# Altium PCB CORE_BOARD.PcbDoc (part 1 of 2) (continued)
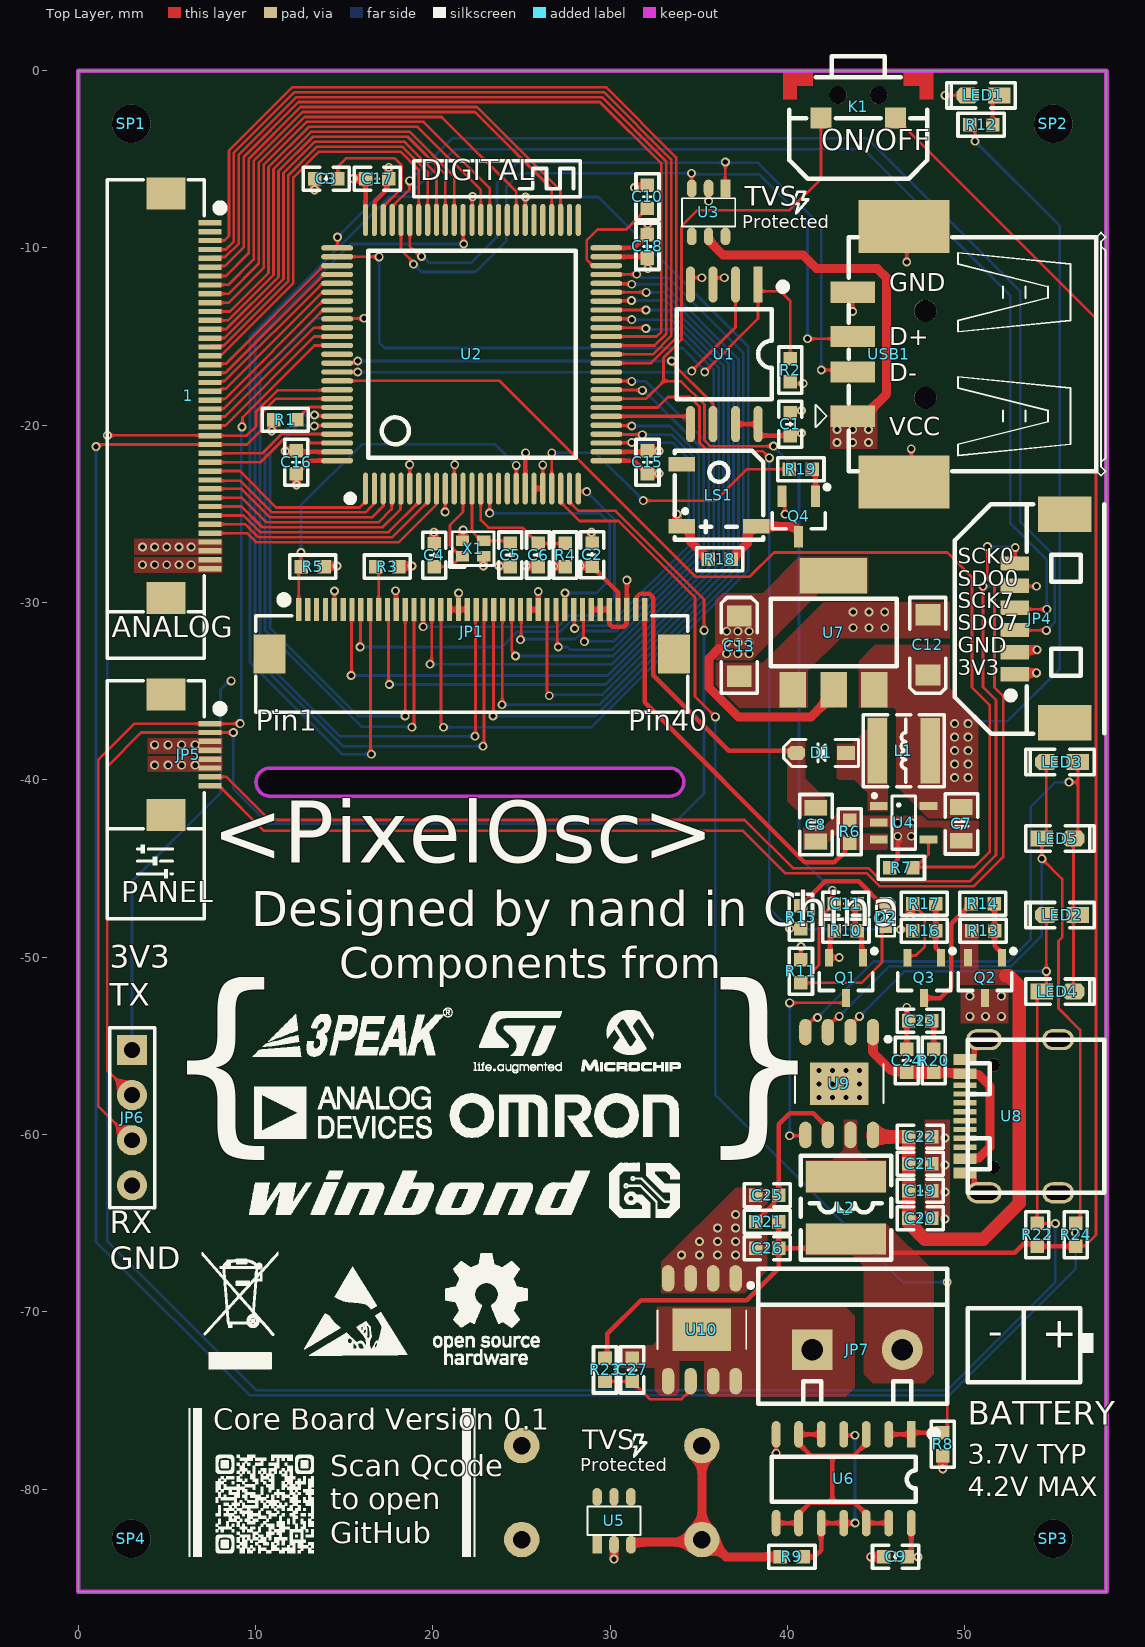
[diagram p0: Top Layer view]
## Footprints (in the part's own frame and the unit in brackets; to place one, negate y for a bottom-side part, rotate by r counter-clockwise, add the part's x,y. Pads: shape width x height; smd on the part's side, far side on the other; paste and mask are expansions set on the pad)
BUZZER-5*5*2mm [mm]
  rect 1.5x0.8 smd: 1(-2.1,-1.75) 2(2.1,-1.75) 3(-2.1,1.75)
  silkscreen extent -2.5,-2.5 2.5,2.5, body extent -2.6,-2.6 2.6,2.6, height 2
"C 0603_L" [mil] "无极性贴片电容"
  rect 30x30 smd: 1(-25.59,0) 2(25.59,0)
  silkscreen extent -51,-26 51,26, body extent -31,-16 31,16, height 32
"C 0805_L" [mil] "无极性贴片电容"
  rect 35x50 smd: 1(-37.41,0) 2(37.4,0)
  silkscreen extent -67,-36 67,36, body extent -39,-24 39,24, height 20
CD43 [mm] "4.5*4*3.2mm（长宽高）"
  rect 1.75x4.5 smd: 1(-1.75,0) 2(1.75,0)
  silkscreen extent -2.92,-2.54 2.92,2.54, body extent -2.21,-2 2.21,2, height 3.3
"CD A(3216)" [mm] "长3.2mm，宽1.6mm，厚1.6mm"
  rect 1.2x1.4 smd: 1(-1.7,0) 2(1.7,0)
  silkscreen extent -2.74,-1.02 2.67,1.02, body extent -1.6,-0.8 1.6,0.8, height 1.6
DJ610-4.8x0.5x14 [mm] "宽：4.8mm，厚0.5mm，高：14mm"
  round 2 hole 1: 1(-2.65,0) 1(2.65,0)
  silkscreen extent -5.08,-1.91 5.08,1.91, body extent -3.13,-0.25 3.13,0.25, height 8.55
"FPC0.5 2H-WS-8P" [mm] "长：8.2mm，宽：5.2mm，高：2mm"
  rect 1.8x2.2 smd: 0(-3.4,0) 0(3.4,0)
  rect 0.3x1.3 smd: 1(-1.75,2.497) 2(-1.25,2.497) 3(-0.75,2.497) 4(-0.25,2.497) 5(0.25,2.497) 6(0.75,2.497) 7(1.25,2.497) 8(1.75,2.497)
  silkscreen extent -4.17,-3.3 4.17,3.23, body extent -4.1,-3.15 4.1,2.85, height 2
"FPC0.5 2H-WS-40P" [mm] "长：24.2mm，宽：5.2mm，高：2mm"
  rect 1.8x2.2 smd: 0(-11.4,0) 0(11.4,0)
  rect 0.3x1.3 smd: 1(-9.75,2.497) 2(-9.25,2.497) 3(-8.75,2.497) 4(-8.25,2.497) 5(-7.75,2.497) 6(-7.25,2.497) 7(-6.75,2.497) 8(-6.25,2.497) 9(-5.75,2.497) 10(-5.25,2.497) 11(-4.75,2.497) 12(-4.25,2.497) 13(-3.75,2.497) 14(-3.25,2.497) 15(-2.75,2.497) 16(-2.25,2.497) 17(-1.75,2.497) 18(-1.25,2.497) 19(-0.75,2.497) 20(-0.25,2.497) 21(0.25,2.497) 22(0.75,2.497) 23(1.25,2.497) 24(1.75,2.497) 25(2.25,2.497) 26(2.75,2.497) 27(3.25,2.497) 28(3.75,2.497) 29(4.25,2.497) 30(4.75,2.497) 31(5.25,2.497) 32(5.75,2.497) 33(6.25,2.497) 34(6.75,2.497) 35(7.25,2.497) 36(7.75,2.497) 37(8.25,2.497) 38(8.75,2.497) 39(9.25,2.497) 40(9.75,2.497)
  silkscreen extent -12.17,-3.3 12.17,3.23, body extent -12.1,-3.15 12.1,2.85, height 2
HDR2.54-LI-4P [mm] "排针，4脚"
  rect 1.7x1.7 hole 0.9: 1(-3.81,0)
  round 1.7 hole 0.9: 2(-1.27,0) 3(1.27,0) 4(3.81,0)
  silkscreen extent -5.08,-1.27 5.08,1.27, body extent -5.08,-1.27 5.08,1.27, height 8.5
KF301-5.0-2P [mm] "可拼接端子/6A"
  rect 2.3x2.3 hole 1.2: 1(-5.08,0)
  round 2.3 hole 1.2: 2(0,0)
  silkscreen extent -8.13,-3.05 2.54,4.57, body extent -7.95,-3 2.55,4.6, height 10.05
"LED 0603G" [mil] "绿色0603LED"
  rect 50x35 smd: 1(-35,0.26)
  oct 50x35 smd: 2(35,0.26)
  silkscreen extent -71,-28 81,28, body extent -31,-16 32,16, height 18
"LED 0603W" [mil] "白色0603LED"
  rect 50x35 smd: 1(-35,0.26)
  oct 50x35 smd: 2(35,0.26)
  silkscreen extent -71,-28 81,28, body extent -31,-16 32,16, height 18
M2#1 [mm] "M3螺丝孔，孔125Mil，焊盘200Mil"
  round 2.175 hole 2.175: 1(-1.06,0.302)
M2#2 [mm] "M3螺丝孔，孔125Mil，焊盘200Mil"
  round 2.175 hole 2.175: 1(48.491,-1.857)
M2#3 [mm] "M3螺丝孔，孔125Mil，焊盘200Mil"
  round 2.175 hole 2.175: 1(0,-0.283)
M2#4 [mm] "M3螺丝孔，孔125Mil，焊盘200Mil"
  round 2.175 hole 2.175: 1(-46.779,-0.669)
"MX 1.25-WS-6P" [mm] "长：12.65mm，宽：4.2mm，高：3.4mm"
  rect 2x3 smd: 0(-5.882,0) 0(5.882,0)
  rect 0.8x1.6 smd: 1(-3.139,2.811) 2(-1.889,2.811) 3(-0.639,2.811) 4(0.611,2.811) 5(1.861,2.811) 6(3.111,2.811)
  silkscreen extent -6.48,-2.23 6.45,3.25, body extent -6.32,-2.1 6.32,3.09, height 3.4
NR4020 [mm] "4.0mm*4.0mm*2.0mm(长*宽*高）"
  rect 1.1x3.7 smd: 1(-1.5,0) 2(1.5,0)
  silkscreen extent -2.29,-2.03 2.29,2.03, body extent -2,-2 2,2, height 2.1
"OSC 2016-4P" [mm]
  rect 0.75x0.6 smd: 1(-0.597,-0.445) 2(0.597,-0.445) 3(0.597,0.445) 4(-0.597,0.445)
  silkscreen extent -1.31,-1.05 1.18,0.95, body extent -1,-0.8 1,0.8, height 0.4
"R 0603_L" [mil] "1/10W贴片电阻"
  rect 30x30 smd: 1(-25.59,0) 2(25.59,0)
  silkscreen extent -51,-26 51,26, body extent -31,-16 32,16, height 16
SOD-323 [mm] "1.8x1.3X0.9mm（长宽高，不包括引脚）"
  rect 1x0.8 smd: 1(-1.4,0)
  oct 1x0.8 smd: 2(1.4,0)
  silkscreen extent -2.11,-0.76 2.11,0.76, body extent -1.34,-0.63 1.31,0.67, height 1
SOD-523_L [mm]
  rect 0.5x0.7 smd: 1(-0.635,0)
  oct 0.5x0.7 smd: 2(0.635,0)
  silkscreen extent -1.08,-0.51 1.07,0.51, body extent -0.8,-0.4 0.8,0.4, height 0.65
SOP8W_L [mm] "5.3*8.3*1.8mm（长宽高）"
  rect 2.032x0.5 smd: 1(-3.937,1.905)
  oval 2.032x0.5 smd: 2(-3.937,0.635) 3(-3.937,-0.635) 4(-3.937,-1.905) 5(3.937,-1.905) 6(3.937,-0.635) 7(3.937,0.635) 8(3.937,1.905)
  silkscreen extent -3.96,-2.67 2.54,3.46, body extent -3.94,-2.64 3.94,2.64, height 1.9
SOP14_L [mm] "8.7*6.2*1.8mm（长宽高）"
  rect 1.5x0.5 smd: 1(-2.5,3.81)
  oval 1.5x0.5 smd: 2(-2.5,2.54) 3(-2.5,1.27) 4(-2.5,0) 5(-2.5,-1.27) 6(-2.5,-2.54) 7(-2.5,-3.81) 8(2.5,-3.81) 9(2.5,-2.54) 10(2.5,-1.27) 11(2.5,0) 12(2.5,1.27) 13(2.5,2.54) 14(2.5,3.81)
  silkscreen extent -2.69,-4.06 1.31,5.23, body extent -3,-4.35 3,4.35, height 1.9
SOP-8-G [mm] "SOIC, 8-Leads, Body 4.9x3.9mm, Pitc"
  rect 2.4x3.3 smd: 0(0,0)
  oval 1.5x0.7 smd: 1(-2.9,1.905) 2(-2.9,0.635) 3(-2.9,-0.635) 4(-2.9,-1.905) 5(2.9,-1.905) 6(2.9,-0.635) 7(2.9,0.635) 8(2.9,1.905)
  silkscreen extent -2.62,-2.5 1.1,2.88, body extent -2.45,-3 3.55,1.9, height 1.7
SOT23-3L [mm] "3x1.3x1mm(长宽高)"
  rect 0.45x1 smd: 1(-0.95,-1.143) 2(0.95,-1.143) 3(0,1.125)
  silkscreen extent -1.73,-1.65 1.5,0.7, body extent -1.5,-1.2 1.5,1.2, height 1.05
SOT23-3N [mm] "3x1.3x1mm(长宽高)"
  rect 0.5x1.2 smd: 1(-0.95,-1.143) 2(0.95,-1.143) 3(0,1.143)
  silkscreen extent -1.73,-1.78 1.5,0.7, body extent -1.5,-1.2 1.5,1.2, height 1.05
SOT23-5L [mm] "3x1.6x1.1mm(长宽高)"
  rect 0.45x1 smd: 1(-0.95,-1.4) 2(0,-1.4) 3(0.95,-1.4) 4(0.95,1.4) 5(-0.95,1.4)
  silkscreen extent -1.6,-1.73 1.5,0.66, body extent -1.5,-1.4 1.5,1.4, height 1.15
SOT-23-6M [mm]
  rect 0.55x1 smd: 1(-0.95,-1.35)
  oval 0.55x1 smd: 2(0,-1.35) 3(0.95,-1.35) 4(0.95,1.35) 6(-0.95,1.35)
  oval 0.5x1 smd: 5(0,1.35)
  silkscreen extent -1.5,-0.8 1.5,0.8, body extent -1.5,-1.4 1.5,1.4, height 0.86
SOT-223 [mil]
  rect 59x79 smd: 1(-88,-130) 2(2.55,-130) 3(93.1,-130)
  rect 150x79 smd: 2(1.88,123.54)
  silkscreen extent -137,-78 143,72, body extent -126,-139 130,135, height 67
TACT-SWITCH-3*6*3.5MM-SMD [mm]
  rect 1.2x1.2 smd: 1(2.1,0.65) 2(-2.1,0.65)
  round 1 hole 1 unplated: ""(-1.15,-0.65) ""(1.15,-0.65)
  Top Layer region: 4.226,-0.426 3.464,-0.426 3.464,-1.188 2.575,-1.188 2.575,-1.95 4.226,-1.95
  Top Layer region: -4.226,-0.426 -3.464,-0.426 -3.464,-1.188 -2.575,-1.188 -2.575,-1.95 -4.226,-1.95
  silkscreen extent -3.9,-2.85 3.9,0.65, body extent -3.9,-2.84 3.9,0.76, height 3.5
"TQFP100 14x14_N" [mm] "100脚，体宽：14x14mm, 脚距：0.5mm"
  oval 0.3x1.8 smd: 1(-5.995,-7.575) 2(-5.495,-7.575) 3(-4.995,-7.575) 4(-4.495,-7.575) 5(-3.995,-7.575) 6(-3.495,-7.575) 7(-2.995,-7.575) 8(-2.495,-7.575) 9(-1.995,-7.575) 10(-1.495,-7.575) 11(-0.995,-7.575) 12(-0.495,-7.575) 13(0.005,-7.575) 14(0.505,-7.575) 15(1.005,-7.575) 16(1.505,-7.575) 17(2.005,-7.575) 18(2.505,-7.575) 19(3.005,-7.575) 20(3.505,-7.575) 21(4.005,-7.575) 22(4.505,-7.575) 23(5.005,-7.575) 24(5.505,-7.575) 25(6.005,-7.575) 51(6.005,7.575) 52(5.505,7.575) 53(5.005,7.575) 54(4.505,7.575) 55(4.005,7.575) 56(3.505,7.575) 57(3.005,7.575) 58(2.505,7.575) 59(2.005,7.575) 60(1.505,7.575) 61(1.005,7.575) 62(0.505,7.575) 63(0.005,7.575) 64(-0.495,7.575) 65(-0.995,7.575) 66(-1.495,7.575) 67(-1.995,7.575) 68(-2.495,7.575) 69(-2.995,7.575) 70(-3.495,7.575) 71(-3.995,7.575) 72(-4.495,7.575) 73(-4.995,7.575) 74(-5.495,7.575) 75(-5.995,7.575)
  oval 1.8x0.3 smd: 26(7.58,-6) 27(7.58,-5.5) 28(7.58,-5) 29(7.58,-4.5) 30(7.58,-4) 31(7.58,-3.5) 32(7.58,-3) 33(7.58,-2.5) 34(7.58,-2) 35(7.58,-1.5) 36(7.58,-1) 37(7.58,-0.5) 38(7.58,0) 39(7.58,0.5) 40(7.58,1) 41(7.58,1.5) 42(7.58,2) 43(7.58,2.5) 44(7.58,3) 45(7.58,3.5) 46(7.58,4) 47(7.58,4.5) 48(7.58,5) 49(7.58,5.5) 50(7.58,6) 76(-7.595,6) 77(-7.595,5.5) 78(-7.595,5) 79(-7.595,4.5) 80(-7.595,4) 81(-7.595,3.5) 82(-7.595,3) 83(-7.595,2.5) 84(-7.595,2) 85(-7.595,1.5) 86(-7.595,1) 87(-7.595,0.5) 88(-7.595,0) 89(-7.595,-0.5) 90(-7.595,-1) 91(-7.595,-1.5) 92(-7.595,-2) 93(-7.595,-2.5) 94(-7.595,-3) 95(-7.595,-3.5) 96(-7.595,-4) 97(-7.595,-4.5) 98(-7.595,-5) 99(-7.595,-5.5) 100(-7.595,-6)
  silkscreen extent -6.98,-8.25 5.85,5.84, body extent -8,-8 8.01,8, height 1.05
USB-A/S_C [mm] "A型贴片母头，"
  rect 1.2x2.5 smd: 1(-3.5,4.1) 2(-1,4.1) 3(1,4.1) 4(3.5,4.1)
  rect 3x5.15 smd: 4(-7.2,1.2) 4(7.2,1.2)
  round 1.25 hole 1.25 unplated: 7(-2.45,0) 8(2.45,0)
  silkscreen extent -6.85,-10.17 6.86,6.19, body extent -7.75,-9.9 7.75,4.8, height 7.4
USB-C-16 [mm]
  rect 0.6x1.3 smd: 1(-3.2,2.623) 2(-2.4,2.623) 11(2.4,2.623) 12(3.2,2.623)
  rect 0.3x1.3 smd: 3(1.75,2.623) 4(1.25,2.624) 5(0.75,2.623) 6(0.25,2.623) 7(-0.25,2.623) 8(-0.75,2.623) 9(-1.25,2.623) 10(-1.75,2.624)
  oval 1.2x2 hole 0.8 slot 1.6 at 90 deg: 13(-4.32,1.556) 14(4.32,1.556)
  oval 1.2x1.8 hole 0.8 slot 1.4 at 90 deg: 15(-4.32,-2.624) 16(4.32,-2.624)
  round 0.75 hole 0.75 unplated: ""(-2.89,1.026) ""(2.89,1.026)
  silkscreen extent -4.32,-5.23 4.32,2.47, body extent -4.47,-5.27 4.47,2.63, height 3.26

## Part data
1: library part FPC-40P, "FPC连接器", BOM名称=FPC连接器, 学习资源=www.ooocke.com, 版权归属=源创客
C1 C2 C3 C4 C5 C6 C7 C8 C9 C10 C11 C15 C16 C17 C18 C19 C20 C21 C22 C23 C24 C25 C26 C27: library part C, "无极性贴片电容", BOM名称=无极性贴片电容, 学习资源=www.ooocke.com, 版权归属=源创客
C12 C13: library part C-CD, "贴片钽电容", BOM名称=贴片钽电容, 学习资源=www.ooocke.com, 版权归属=源创客
D1: library part 1N5819, "肖特基二极管", BOM名称=肖特基二极管, 学习资源=www.ooocke.com, 属性=40V/2A, 版权归属=源创客
D2: "高速开关二极管", BOM名称=高速开关二极管, 学习资源=www.ooocke.com, 版权归属=源创客
JP1: "LED显示屏"
JP4: library part "Header 6", "6P接插件", BOM名称=6P接插件, 学习资源=www.ooocke.com, 版权归属=源创客
JP5: library part FPC-8P, "FPC连接器", BOM名称=FPC连接器, 学习资源=www.ooocke.com, 版权归属=源创客
JP6: library part "Header 4", "4P接插件", BOM名称=4P接插件, 学习资源=www.ooocke.com, 版权归属=源创客
JP7: library part "Header 2", "2P接插件", BOM名称=2P接插件, 学习资源=www.ooocke.com, 版权归属=源创客
K1: library part KEY-SMD-6x6, "贴片6x6轻触开关", BOM名称=贴片6x6轻触开关, 学习资源=www.ooocke.com, 版权归属=源创客
L1: library part L, "小功率贴片电感", BOM名称=小功率贴片电感, 学习资源=www.ooocke.com, 版权归属=源创客
L2: library part L-CD, "贴片功率电感", BOM名称=功率电感, 学习资源=www.ooocke.com, 版权归属=源创客
LED1 LED2 LED3 LED4 LED5: library part LED-SMD, "贴片LED", BOM名称=贴片LED, 学习资源=www.ooocke.com, 版权归属=源创客
LS1: "蜂鸣器", BOM名称=蜂鸣器, 学习资源=www.ooocke.com, 版权归属=源创客
Q1 Q3: "场效应管"
Q2: "P沟道MOS管"
Q4: library part 8050-SMD, "高频放大-NPN型", BOM名称=高频放大-NPN型, 学习资源=www.ooocke.com, 属性="40V 1.5A 1W 100MHZ", 版权归属=源创客
R1 R2 R3 R4 R5 R6 R7 R8 R9 R10 R11 R12 R13 R14 R15 R16 R17 R18 R19 R20 R21 R22 R23 R24: library part R, "贴片电阻", BOM名称=贴片电阻, 学习资源=www.ooocke.com, 版权归属=源创客
U1: "外置Flash", BOM名称=外置Flash, 学习资源=www.ooocke.com, 版权归属=源创客
U2: library part STM32H750VBT6_T, "微型控制器"
U3 U5: "TVS二极管"
U4: "LED驱动"
U6: "四二输入与非门"
U7: library part AMS1117-3.0, "线性稳压器"
U8: library part USB-C-16P, "USB-C型母接口", BOM名称=USB-C型母接口, 学习资源=www.ooocke.com, 版权归属=源创客
U9: "电源芯片"
U10: "锂电池保护芯片"
USB1: library part USB-A/S, "USB-A型母接口", BOM名称=USB-A型母接口, 学习资源=www.ooocke.com, 版权归属=源创客
X1: library part XTAL-4P, "4脚无源晶振", BOM名称=4脚无源晶振, 学习资源=www.ooocke.com, 版权归属=源创客
JP2 JP3: BOM名称=10P接插件, 学习资源=www.ooocke.com, 版权归属=源创客
SP1 SP2 SP3 SP4: BOM名称=铜柱, 学习资源=www.ooocke.com, 版权归属=源创客

## Via types
v1: diameter 0.5, hole 0.3, Top Layer to Bottom Layer, tented both sides, 229 vias

## Nets (pads, with @x,y where several pads share a name; then routed paths per layer and width w, separated by ;. In a path a pad name is that pad's centre, name@x,y a point inside that pad or via, vN(x,y) a via of type N, cw(c..) or ccw(c..) an arc to the next point about the centre after c; other vN are vias at no path point)
3V3: C1.1 C2.1 C13.1 C15.2 C16.2 C17.2 C18.2 JP1.37 JP4.1 JP6.1 LS1.1 R2.2 R3.1 R4.2 R5.1 R18.1 U1.3 U1.7 U1.8 U2.6 U2.11 U2.20 U2.21 U2.27 U2.50 U2.75 U2.100 U7.2 | length 68.1
  Top Layer w0.152: v1(18.701,-22.225) 18.707,-22.231 18.707,-23.57 U2.6@18.714,-23.577 ; U2.11@21.214,-23.577 21.227,-23.563 21.227,-22.239 v1(21.241,-22.225) ; v1(26.209,-22.24) 26.211,-22.242 26.211,-23.574 U2.21@26.214,-23.577 ; R4.2@27.434,-27.956 R4.2@27.464,-27.986 ; U1.3@35.81,-12.065 35.81,-11.845 35.971,-11.684 v1(36.449,-11.684) ; R2.2@40.164,-17.541 40.276,-17.653 v1(40.894,-17.653)
  Top Layer w0.254: C16.2@12.258,-22.86 12.224,-22.826 C16.2@12.302,-22.748 13.048,-22.002 U2.100@14.614,-22.002 ; C17.2@16.203,-6.096 16.214,-6.107 U2.75@16.214,-8.427 ; U2.20@25.714,-23.577 U2.21@26.214,-23.577 ; C2.1@28.988,-27.955 30.451,-29.418 JP1.37@30.451,-30.4 ; U2.27@29.788,-21.502 C15.2@32.06,-21.502 ; U2.50@29.788,-10.002 31.383,-10.002 C18.2@32.114,-9.271 C18.2@32.163,-9.222 ; U1.7@37.08,-19.939 U1.8@38.35,-19.939 38.35,-20.475 38.464,-20.589 C1.1@40.164,-20.589 40.306,-20.447 v1(40.799,-20.447)
  Top Layer w0.508: C16.2@12.258,-22.86 12.304,-22.86 12.319,-22.875 v1(12.319,-23.368) ; R5.1@13.89,-27.971 13.921,-27.94 v1(14.605,-27.94) ; v1(15.526,-6.096) C17.2@16.203,-6.096 ; R3.1@18.081,-27.971 18.112,-27.94 v1(18.828,-27.94) ; v1(26.829,-27.956) R4.2@27.434,-27.956 ; v1(28.321,-27.94) 28.973,-27.94 C2.1@28.988,-27.955 ; C15.2@32.06,-21.502 32.099,-21.463 v1(32.766,-21.463) ; v1(32.131,-8.636) 32.131,-9.19 C18.2@32.163,-9.222 ; v1(33.782,-25.019) 33.782,-25.556 33.928,-25.702 LS1.1@34.039,-25.702 34.389,-25.702 34.535,-25.848 34.535,-26.549 R18.1@35.545,-27.559 ; 36.144,-32.588 35.585,-33.147 35.585,-34.798 37.236,-36.449 41.34,-36.449 42.61,-35.179 U7.2@42.61,-34.925 ; JP4.1@52.834,-34.051 52.919,-33.966 v1(54.057,-33.966)
  Bottom Layer w0.152: JP6.1@3.048,-55.245 3.048,-45.721 8.03,-40.739 8.03,-34.896 8.509,-34.417 v1(8.636,-34.417)
  other v1: 36.576,-32.893 37.211,-32.893 37.846,-32.893 36.576,-32.258 37.211,-32.258 37.846,-32.258 36.576,-31.623 37.211,-31.623 37.846,-31.623
5V: 1.37 1.38 C7.2 C9.2 C12.1 JP5.3 JP5.4 L1.1 Q2.3 R12.2 U3.5 U4.5 U6.14 U7.3 USB1.1 | length 61.8
  Top Layer w0.152: R12.2@50.277,-3.048 50.582,-3.353 v1(50.582,-3.986)
  Top Layer w0.254: U6.14@46.99,-81.915 46.99,-83.581 C9.2@46.751,-83.82 v1(47.371,-83.82)
  Top Layer w0.508: U3.5@35.564,-9.597 36.381,-10.414 40.894,-10.414 41.656,-11.176 45.085,-11.176 45.593,-11.684 45.593,-18.243 44.334,-19.502 USB1.1@43.684,-19.502
  Bottom Layer w0.152: v1(50.197,-36.83) 50.291,-36.83 50.418,-36.703 52.4,-36.703 55.368,-33.735 55.368,-8.772 v1(50.582,-3.986)
  other v1: 50.292,-53.34 51.181,-53.34 52.07,-53.34 50.292,-52.197 52.07,-52.197 49.435,-39.878 50.197,-39.878 49.435,-39.116 50.197,-39.116 49.435,-38.354 50.197,-38.354 4.318,-38.026 5.08,-38.026 5.842,-38.026 6.604,-38.026 49.435,-37.592 50.197,-37.592 49.435,-36.83 3.632,-26.873 4.318,-26.873 5.004,-26.873 5.69,-26.873 6.375,-26.873 42.799,-20.98 43.688,-20.98 44.577,-20.98 42.799,-20.244 43.688,-20.244 44.577,-20.244
ABout: U6.3 U6.5 U6.6 U6.8 U6.9 U6.12 U6.13 | length 17.2
  Top Layer w0.254: U6.8@39.37,-81.915 U6.9@40.64,-81.915 40.64,-81.415 41.283,-80.772 42.545,-80.772 ; U6.5@41.91,-76.915 U6.6@40.64,-76.915 40.64,-77.415 41.33,-78.105 42.545,-78.105 ; U6.3@44.45,-76.915 44.45,-77.415 43.76,-78.105 42.545,-78.105 ; U6.13@45.72,-81.915 U6.12@44.45,-81.915 44.45,-81.415 43.807,-80.772 42.545,-80.772 ; 42.545,-80.772 42.545,-78.105
B+: C26.1 JP7.2 K1.2 L2.2 R21.2 R22.2 R23.1 R24.2 | length 99.5
  Top Layer w0.152: K1.2@46.1,-2.682 57.404,-13.986 57.404,-65.659 56.781,-66.282 56.288,-66.282 R24.2@56.261,-66.309
  Top Layer w0.254: R23.1@29.718,-72.629 29.845,-72.502 29.845,-71.247 31.75,-69.342 37.719,-69.342 39.512,-67.549 C26.1@39.512,-66.421 ; R21.2@39.512,-64.929 C26.1@39.512,-66.421 ; L2.2@43.307,-65.885 42.771,-66.421 C26.1@39.512,-66.421 ; 45.974,-66.675 52.832,-66.675 53.34,-66.167 53.95,-66.167 R22.2@54.092,-66.309 R24.2@56.261,-66.309
  Top Layer w0.508: L2.2@42.849,-65.793 L2.2@43.307,-65.335
B-: C27.2 JP7.1 U10.0 U10.5 U10.7 U10.8
BEEP_CTR: R19.1 U2.22 | length 17.3
  Top Layer w0.152: U2.22@26.714,-23.577 v1@26.714,-21.546 ; v1(31.877,-24.257) 35.941,-24.257 37.719,-22.479 R19.1@40.117,-22.479
  Bottom Layer w0.152: v1(26.714,-21.559) 29.179,-21.559 v1(31.877,-24.257)
CH0_AT: U2.56
CH1_AT: U2.55
DGND: 1.39 1.40 C1.2 C2.2 C3.2 C4.2 C5.2 C6.1 C7.1 C8.2 C9.1 C10.1 C12.2 C13.2 C15.1 C16.1 C17.1 C18.1 C19.2 C20.2 C21.2 C22.2 C23.2 C24.2 C25.2 C26.2 JP1.5 JP1.12 JP1.18 JP1.19 JP1.20 JP1.27 JP1.28 JP1.34 JP1.35 JP1.36 JP1.38 JP3.1 JP4.2 JP5.5 JP5.6 JP6.4 LED1.2 Q1.2 Q3.2 Q4.2 R1.1 R6.1 R7.1 R8.2 R10.1 R11.2 R17.1 SP1.1 SP2.1 SP3.1 SP4.1 U1.4 U2.10 U2.19 U2.26 U2.49 U2.74 U2.99 U3.2 U4.2 U5.2 U6.7 U7.1 U8.1 U8.12 U8.13 U8.14 U8.15 U8.16 U9.0 U10.1 U10.2 U10.3 U10.4 USB1.4 X1.2 X1.4 | length 69
  Top Layer w0.152: R1.1@10.914,-19.805 R1.1@11.034,-19.685 ; JP1.5@14.451,-30.4 14.458,-30.392 14.458,-29.357 v1(14.466,-29.349) ; v1(20.701,-24.892) 20.707,-24.886 20.707,-23.583 U2.10@20.714,-23.577 ; X1.4@21.717,-26.541 X1.4@21.717,-26.474 ; X1.2@22.801,-27.426 X1.2@22.86,-27.485 ; C5.2@24.336,-27.94 C5.2@24.367,-27.971 ; C6.1@25.925,-27.956 C6.1@25.94,-27.971 ; C2.2@28.956,-26.623 C2.2@28.988,-26.655 ; C18.1@32.114,-10.571 C18.1@32.131,-10.588 ; U1.4@34.54,-12.065 34.54,-11.845 34.701,-11.684 v1(35.179,-11.684) ; v1(35.56,-7.366) U3.2@35.56,-6.651 ; v1(39.37,-77.978) U6.7@39.37,-76.915 ; Q4.2@39.69,-24.003 39.864,-24.177 39.864,-25.005 v1(39.878,-25.019) ; R11.2@40.767,-50.15 v1(40.767,-49.403) ; v1(41.783,-57.15) U9.0@42.524,-57.15 ; v1(41.783,-56.388) U9.0@42.524,-57.129 ; v1(42.545,-57.15) 42.566,-57.129 U9.0@42.926,-57.129 ; v1(42.545,-56.388) 42.545,-56.748 U9.0@42.926,-57.129 ; v1(43.307,-57.15) U9.0@43.286,-57.129 ; v1(43.307,-56.388) 42.926,-56.769 U9.0@42.926,-57.129 ; U9.0@43.445,-57.012 v1(44.069,-56.388) ; USB1.4@43.684,-12.502 43.684,-13.585 v1(43.688,-13.589) ; v1(44.069,-57.15) 44.048,-57.129 U9.0@43.286,-57.129 ; USB1.4@46.584,-23.202 46.99,-22.796 v1(46.99,-21.336) ; USB1.4@46.584,-8.802 46.736,-8.954 v1(46.736,-10.795) ; Q3.2@46.77,-50.038 46.897,-49.911 47.244,-49.911 47.752,-49.403 47.752,-47.672 R17.1@47.07,-46.99 ; v1(48.895,-1.397) 48.898,-1.4 50.162,-1.4 LED1.2@50.165,-1.404 ; U9.0@42.926,-57.129 U9.0@43.286,-57.129
  Top Layer w0.254: C16.1@12.356,-21.502 U2.99@14.614,-21.502 ; U2.74@16.714,-8.427 16.722,-8.419 16.722,-7.408 17.399,-6.731 C17.1@17.399,-6.221 ; v1(17.907,-29.337) 17.929,-29.359 17.929,-30.378 JP1.12@17.951,-30.4 ; JP1.18@20.951,-30.4 JP1.19@21.451,-30.4 ; v1(21.463,-29.464) 21.451,-29.476 JP1.19@21.451,-30.4 ; JP1.20@21.951,-30.4 JP1.19@21.451,-30.4 ; U2.19@25.214,-23.577 25.222,-23.568 25.222,-21.58 v1(25.243,-21.559) ; JP1.27@25.451,-30.4 JP1.28@25.951,-30.4 v1(25.951,-29.38) v1@25.908,-29.337 ; JP1.34@28.951,-30.4 JP1.35@29.451,-30.4 JP1.36@29.951,-30.4 29.974,-30.423 29.974,-31.22 30.123,-31.369 30.779,-31.369 30.928,-31.22 30.928,-30.423 30.951,-30.4 v1(30.951,-28.739) ; U2.26@29.788,-22.002 31.368,-22.002 C15.1@32.114,-22.748 ; U2.49@29.788,-10.502 32.045,-10.502 C18.1@32.114,-10.571 ; C1.2@40.052,-19.177 v1(40.799,-19.177) ; R10.1@42.657,-48.514 42.418,-48.753 42.418,-49.702 42.357,-49.763 42.357,-49.922 42.455,-50.02 v1(42.926,-50.02) ; R7.1@45.786,-44.958 46.228,-44.516 46.228,-43.561 46.355,-43.434 ; C24.2@46.736,-55.182 46.736,-53.706 C23.2@46.848,-53.594 46.736,-53.482 v1(46.736,-52.832) ; U8.1@50.023,-62.17 50.373,-62.17 50.546,-62.343 50.546,-62.853 50.983,-63.29 U8.13@51.09,-63.29 ; U8.12@50.023,-55.77 50.373,-55.77 50.546,-55.597 50.546,-55.087 50.983,-54.65 U8.14@51.09,-54.65
  Top Layer w0.508: R1.1@10.914,-19.805 10.922,-19.812 v1(10.922,-20.32) ; v1(11.684,-21.463) 12.317,-21.463 C16.1@12.356,-21.502 ; v1(13.335,-6.731) 13.335,-6.113 C3.2@13.352,-6.096 ; C17.1@17.399,-6.221 17.399,-6.098 17.526,-5.971 v1(17.526,-5.461) ; v1(20.066,-26.035) 20.066,-26.561 C4.2@20.176,-26.671 ; X1.4@21.679,-26.512 21.717,-26.474 v1(21.717,-25.908) ; v1(22.86,-27.94) 22.86,-27.485 22.86,-27.414 X1.2@22.873,-27.401 ; v1(23.749,-27.94) C5.2@24.336,-27.94 ; v1(25.273,-27.94) 25.909,-27.94 C6.1@25.925,-27.956 ; C2.2@28.956,-26.623 v1(28.956,-26.035) ; v1(30.226,-83.947) U5.2@30.226,-83.225 ; v1(31.383,-6.604) 31.398,-6.589 31.987,-6.589 C10.1@32.114,-6.462 ; C15.1@32.114,-22.748 32.129,-22.733 v1(32.766,-22.733) ; v1(32.131,-11.176) C18.1@32.131,-10.588 ; v1(44.704,-83.82) C9.1@45.451,-83.82 ; v1(46.923,-47.692) 46.943,-47.672 46.943,-47.117 R17.1@47.07,-46.99 ; v1(48.768,-78.867) R8.2@48.768,-78.12 ; JP4.2@52.834,-32.801 52.971,-32.664 v1(54.077,-32.664)
  other v1: 34.036,-66.802 35.052,-66.802 36.068,-66.802 37.084,-66.802 35.052,-66.04 36.068,-66.04 37.084,-66.04 36.068,-65.278 37.084,-65.278 48.895,-64.77 37.084,-64.516 48.895,-63.246 48.895,-61.722 48.895,-60.198 41.783,-57.912 42.545,-57.912 43.307,-57.912 44.069,-57.912 46.228,-43.18 46.99,-43.18 46.228,-42.418 46.99,-42.418 4.318,-39.169 5.08,-39.169 5.842,-39.169 6.604,-39.169 43.713,-31.42 44.602,-31.42 45.491,-31.42 43.713,-30.531 44.602,-30.531 45.491,-30.531 3.632,-27.873 4.318,-27.873 5.004,-27.873 5.69,-27.873 6.375,-27.873
H7_SWCLK: JP4.4 U2.76 | length 64.4
  Top Layer w0.152: U2.76@14.614,-10.002 14.634,-9.981 v1(14.634,-9.395) ; JP4.4@52.834,-30.301 52.912,-30.378 v1(54.635,-30.378)
  Bottom Layer w0.152: v1(14.634,-9.395) 17.196,-6.833 18.853,-6.833 21.241,-4.445 44.323,-4.445 52.578,-12.7 52.578,-25.545 54.635,-27.602 v1(54.635,-30.378)
H7_SWDIO: JP4.3 U2.72 | length 63.5
  Top Layer w0.152: U2.72@17.714,-8.427 17.714,-7.677 18.689,-6.702 18.689,-6.235 v1(18.701,-6.223) ; JP4.3@52.856,-31.572 v1(54.61,-31.572)
  Bottom Layer w0.152: v1(18.701,-6.223) 21.114,-3.81 44.482,-3.81 53.143,-12.471 53.143,-25.457 55.089,-27.403 55.089,-31.094 v1(54.61,-31.572)
I2C4_SCL: U2.59
I2C4_SDA: U2.60
KEY_PWR: C11.1 D2.1 K1.1 R11.1 U2.33 | length 73.6
  Top Layer w0.152: U2.33@29.788,-18.502 32.044,-18.502 33.02,-17.526 ; v1(39.218,-21.184) 35.648,-21.184 35.331,-20.867 35.331,-18.845 34.012,-17.526 33.02,-17.526 ; K1.1@41.895,-2.682 41.895,-6.111 40.132,-7.874 34.925,-7.874 34.036,-8.763 34.036,-15.179 33.02,-16.195 33.02,-17.526 ; v1(42.545,-46.228) 42.545,-46.893 C11.1@42.642,-46.99 41.783,-47.849 41.783,-50.434 41.072,-51.145 R11.1@40.767,-51.45 44.181,-51.45 45.339,-50.292 45.339,-48.561 45.513,-48.387 D2.1@45.542,-48.387
  Bottom Layer w0.152: v1(39.218,-21.184) 39.218,-21.194 40.659,-22.635 40.659,-44.342 v1(42.545,-46.228)
LCD_B3: JP1.17 U2.57 | length 57.5
  Top Layer w0.152: JP1.17@20.451,-30.4 20.465,-30.414 20.465,-36.802 20.606,-36.943 v1(20.606,-37.037) ; U2.57@25.214,-8.427 25.226,-8.415 25.226,-7.143 v1(25.237,-7.131)
  Bottom Layer w0.152: v1(20.606,-37.037) 28.927,-37.037 37.802,-28.162 37.802,-15.577 29.356,-7.131 v1(25.237,-7.131)
LCD_B4: JP1.16 U2.42 | length 40.1
  Top Layer w0.152: v1(19.844,-33.481) 19.844,-33.387 19.951,-33.28 JP1.16@19.951,-30.4 ; U2.42@29.788,-14.002 31.178,-14.002 v1(31.225,-14.049)
  Bottom Layer w0.152: v1(19.844,-33.481) 30.112,-33.481 36.125,-27.468 36.125,-16.747 33.427,-14.049 v1(31.225,-14.049)
LCD_B5: JP1.15 U2.25 | length 19.7
  Top Layer w0.152: JP1.15@19.451,-30.4 19.457,-30.406 19.457,-31.363 v1(19.463,-31.369) ; U2.25@28.214,-23.577 28.214,-23.681 28.282,-23.749 v1(28.685,-23.749)
  Bottom Layer w0.152: v1(19.463,-31.369) 27.069,-31.369 27.704,-30.734 29.242,-30.734 30.258,-29.718 30.258,-25.322 v1(28.685,-23.749)
LCD_B6: JP1.14 U2.95 | length 32.3
  Top Layer w0.152: v1(13.332,-19.422) 13.384,-19.474 14.585,-19.474 U2.95@14.614,-19.502 ; v1(18.828,-37.037) 18.828,-36.943 18.951,-36.82 JP1.14@18.951,-30.4
  Bottom Layer w0.152: v1(13.332,-19.422) 13.315,-19.439 12.565,-19.439 10.541,-21.463 10.541,-31.558 15.986,-37.003 18.794,-37.003 v1(18.828,-37.037)
LCD_B7: JP1.13 U2.96 | length 30
  Top Layer w0.152: v1(13.318,-20.049) 13.342,-20.025 14.59,-20.025 U2.96@14.614,-20.002 ; v1(18.447,-36.402) 18.449,-36.4 18.449,-30.402 JP1.13@18.451,-30.4
  Bottom Layer w0.152: v1(13.318,-20.049) 13.271,-20.002 12.397,-20.002 10.82,-21.579 10.82,-31.442 15.78,-36.402 v1(18.447,-36.402)
LCD_BL: R7.2 U2.91 U4.4 | length 64
  Top Layer w0.152: U2.91@14.614,-17.502 23.784,-17.502 34.827,-28.546 37.875,-28.546 39.243,-27.178 49.022,-27.178 50.419,-28.575 50.419,-34.798 51.41,-35.789 51.41,-44.069 50.558,-44.921 R7.2@47.25,-44.921 ; R7.2@47.086,-44.958 47.213,-44.958 47.963,-44.208 U4.4@47.963,-43.368
LCD_CLK: JP1.11 U2.44 | length 45.8
  Top Layer w0.152: JP1.11@17.451,-30.4 17.504,-30.454 17.504,-34.57 v1(17.558,-34.624) ; U2.44@29.788,-13.002 29.805,-12.985 31.197,-12.985 v1(31.214,-12.968)
  Bottom Layer w0.152: v1(17.558,-34.624) 29.759,-34.624 36.684,-27.699 36.684,-16.516 33.137,-12.968 v1(31.214,-12.968)
LCD_DE: JP1.7 U2.43 | length 46.3
  Top Layer w0.152: v1(15.399,-34.116) 15.425,-34.09 15.425,-30.426 JP1.7@15.451,-30.4 ; U2.43@29.788,-13.502 U2.43@29.788,-13.502 32.028,-13.503 v1(32.029,-13.504)
  Bottom Layer w0.152: v1(15.399,-34.116) 29.872,-34.116 36.405,-27.583 36.405,-16.632 33.277,-13.504 v1(32.029,-13.504)
LCD_G2: JP1.26 U2.30 | length 25.1
  Top Layer w0.152: JP1.26@24.951,-30.4 24.998,-30.447 24.998,-32.059 v1(24.956,-32.102) ; U2.30@29.788,-20.002 29.812,-20.025 31.202,-20.025 v1(31.225,-20.049)
  Bottom Layer w0.152: v1(24.956,-32.102) 24.999,-32.059 28.056,-32.059 28.509,-31.606 30.407,-31.606 35.008,-27.005 35.008,-21.669 33.388,-20.049 v1(31.225,-20.049)